# KiCad board BB3plus CM5 STM32H7 module.kicad_pcb
title: ${project_name}; date: 2026-09-18; rev: ${project_version}; company: ${project_creator}
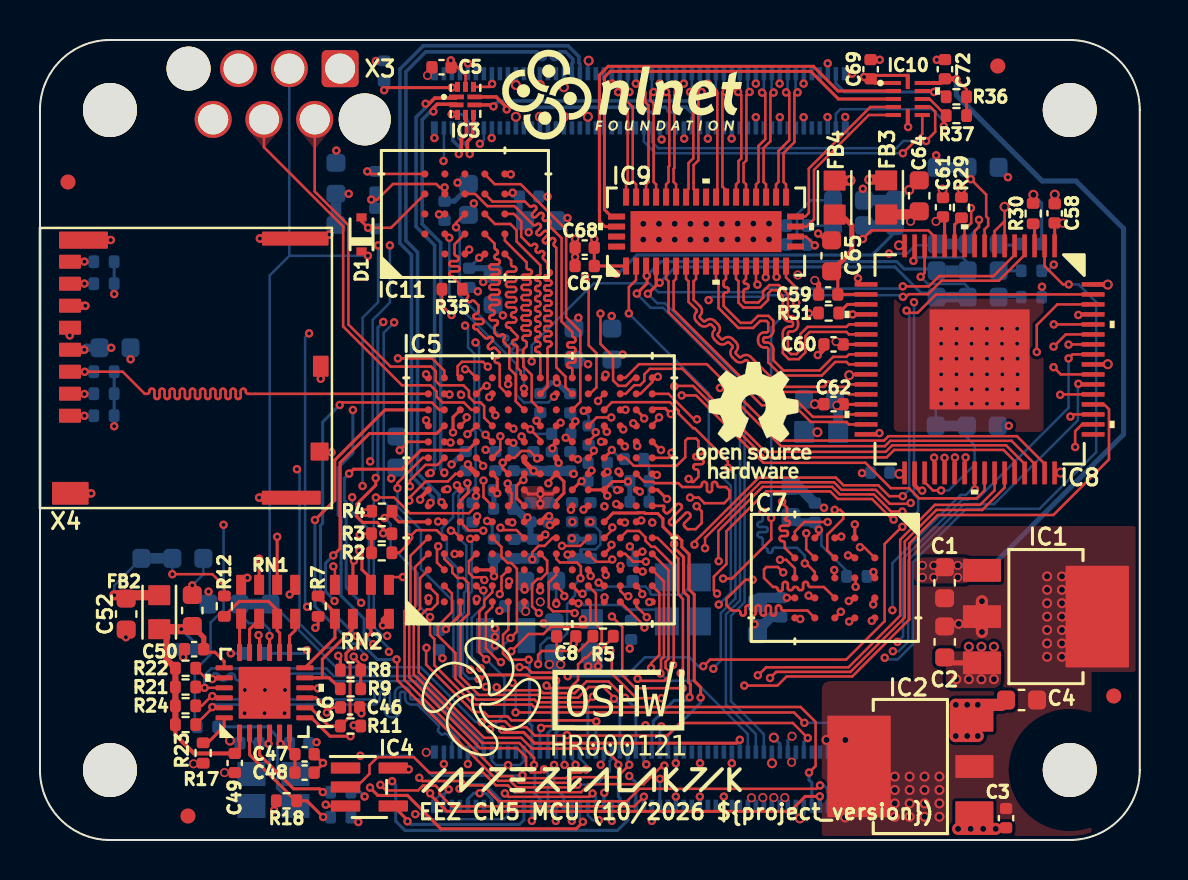
[diagram p0: board, top side]
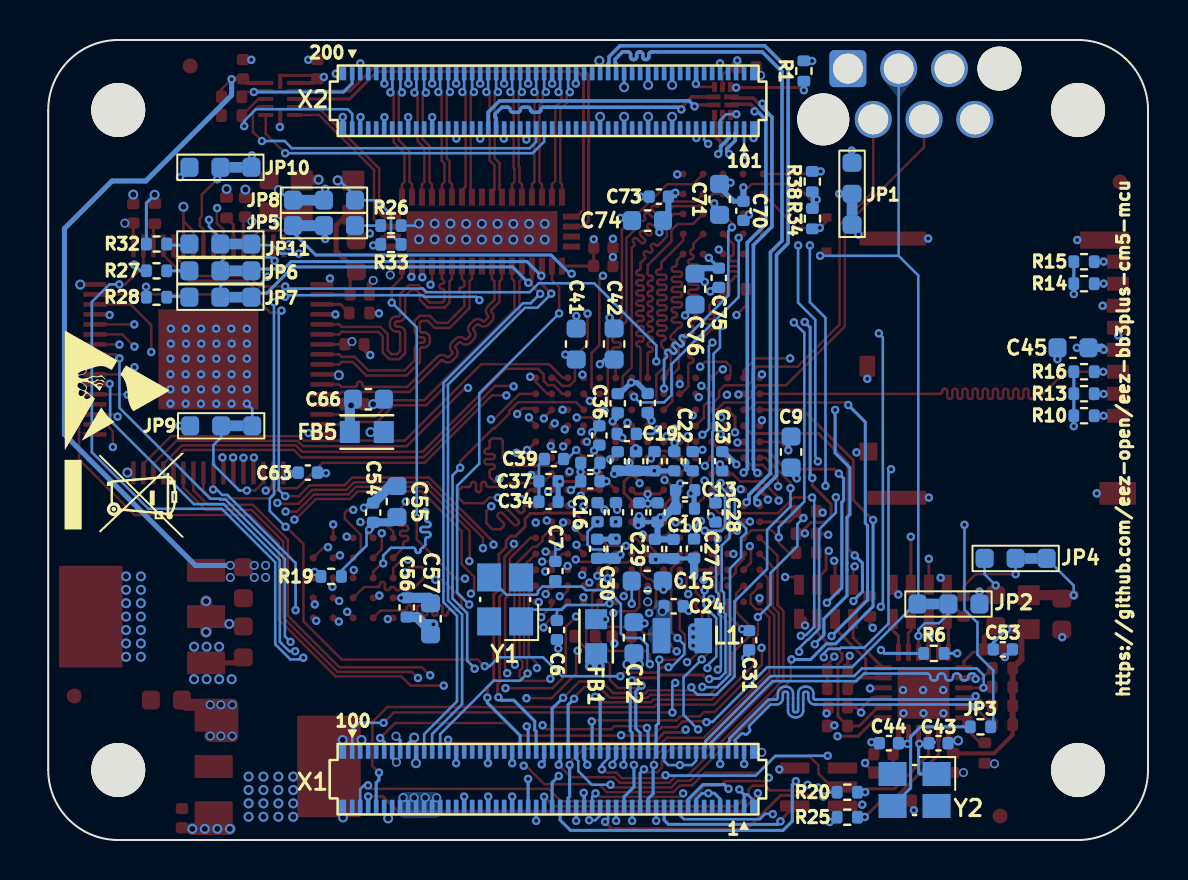
[diagram p1: board, bottom side, seen from below]

Outline 55 x 40 mm; copper layers: Top, GND1.Cu (plane), In2signal.Cu, POWER.Cu (plane), GND2.Cu (plane), Bottom. Coordinates in mm from the lower left corner of the outline.
Stack: Top 0.035mm / dielectric 0.0994mm FR4 er 4.5 / GND1.Cu 0.0152mm / dielectric 0.55mm FR4 er 4.5 / In2signal.Cu 0.0152mm / dielectric 0.1164mm FR4 er 4.5 / POWER.Cu 0.0152mm / dielectric 0.55mm FR4 er 4.5 / GND2.Cu 0.0152mm / dielectric 0.0994mm FR4 er 4.5 / Bottom 0.035mm

## Placement (name value [footprint] x y rotation side)
C1  10u  [C_0603_1608Metric]  45.24 12.87 90 top
C2  10u  [C_0603_1608Metric]  45.25 9.91 270 top
C3  1u  [C_0402_1005Metric]  48.31 1.09 90 top
C4  10u  [C_0603_1608Metric]  49.09 7 180 top
C5  100n  [C_0402_1005Metric]  20.08 38.64 0 top
C6  10p  [C_0402_1005Metric]  29.56 10.5 90 bottom
C7  10p  [C_0402_1005Metric]  29.64 13.45 270 bottom
C8  10n  [C_0402_1005Metric]  26.32 10.18 0 top
C9  4u7  [C_0603_1608Metric]  17.85 19.4 90 bottom
C10  100n  [C_0402_1005Metric]  23.16 16.57 180 bottom
C11  100n  [C_0402_1005Metric]  24.68 18.94 270 bottom
C12  10u  [C_0603_1608Metric]  25.71 10.12 90 bottom
C13  100n  [C_0402_1005Metric]  23.15 17.49 180 bottom
C14  100n  [C_0402_1005Metric]  27.89 18.86 0 bottom
C15  10u  [C_0603_1608Metric]  25.05 12.95 180 bottom
C16  2u2  [C_0402_1005Metric]  27.53 16.39 270 bottom
C17  100n  [C_0402_1005Metric]  22.77 18.94 90 bottom
C18  100n  [C_0402_1005Metric]  26.61 16.39 90 bottom
C19  2u2  [C_0402_1005Metric]  26.07 20.31 180 bottom
C20  100n  [C_0402_1005Metric]  24.53 16.38 90 bottom
C21  100n  [C_0402_1005Metric]  27.89 17.94 0 bottom
C22  2u2  [C_0402_1005Metric]  23.69 18.94 270 bottom
C23  1u  [C_0402_1005Metric]  21.29 18.94 90 bottom
C24  220p  [C_0402_1005Metric]  23.72 11.69 180 bottom
C25  100n  [C_0402_1005Metric]  25.45 16.38 90 bottom
C26  100n  [C_0402_1005Metric]  26.52 18.94 270 bottom
C27  2u2  [C_0402_1005Metric]  22.7 14.57 270 bottom
C28  100n  [C_0402_1005Metric]  21.63 16.38 90 bottom
C29  1u  [C_0402_1005Metric]  24.66 14.56 270 bottom
C30  1u  [C_0402_1005Metric]  26.68 14.56 270 bottom
C31  100n  [C_0402_1005Metric]  19.95 9.99 270 bottom
C32  100n  [C_0402_1005Metric]  23.73 14.55 270 bottom
C33  100n  [C_0402_1005Metric]  27.55 14.56 270 bottom
C34  100n  [C_0402_1005Metric]  29.98 16.91 0 bottom
C35  100n  [C_0402_1005Metric]  25.02 21.85 90 bottom
C36  100n  [C_0402_1005Metric]  27.44 20.23 90 bottom
C37  100n  [C_0402_1005Metric]  29.98 17.94 0 bottom
C38  100n  [C_0402_1005Metric]  26.52 21.84 90 bottom
C39  100n  [C_0402_1005Metric]  29.71 19.05 0 bottom
C40  100n  [C_0402_1005Metric]  25.6 18.94 270 bottom
C41  4u7  [C_0603_1608Metric]  28.6 24.8 90 bottom
C42  4u7  [C_0603_1608Metric]  26.7 24.8 90 bottom
C43  10p  [C_0402_1005Metric]  10.48 4.84 0 bottom
C44  10p  [C_0402_1005Metric]  12.96 4.84 180 bottom
C45  10u  [C_0603_1608Metric]  3.75 24.61 180 bottom
C46  10n  [C_0402_1005Metric]  15.51 6.63 0 top
C47  470p  [C_0402_1005Metric]  13.23 4.29 0 top
C48  1u  [C_0402_1005Metric]  13.23 3.37 180 top
C49  10n  [C_0402_1005Metric]  9.74 3.85 270 top
C50  10n  [C_0402_1005Metric]  7.71 9.54 180 top
C51  4u7  [C_0603_1608Metric]  7.62 11.48 90 top
C52  4u7  [C_0603_1608Metric]  4.31 11.3 270 top
C53  100n  [C_0402_1005Metric]  7.26 9.53 0 bottom
C54  100n  [C_0402_1005Metric]  38.75 16.37 90 bottom
C55  4u7  [C_0603_1608Metric]  37.56 16.92 90 bottom
C56  100n  [C_0402_1005Metric]  37.07 11.63 270 bottom
C57  4u7  [C_0603_1608Metric]  35.88 11.06 270 bottom
C58  100n  [C_0402_1005Metric]  50.75 31.33 90 top
C59  100n  [C_0402_1005Metric]  39.42 27.27 180 top
C60  100n  [C_0402_1005Metric]  39.69 24.78 180 top
C61  100n  [C_0402_1005Metric]  45.16 31.64 90 top
C62  100n  [C_0402_1005Metric]  39.69 21.79 180 top
C63  100n  [C_0402_1005Metric]  42.02 18.37 180 bottom
C64  10u  [C_0603_1608Metric]  43.97 32.21 90 top
C65  10u  [C_0603_1608Metric]  39.59 29.21 270 top
C66  10u  [C_0603_1608Metric]  38.99 22.04 0 bottom
C67  10n  [C_0402_1005Metric]  27.24 28.7 180 top
C68  100n  [C_0402_1005Metric]  27.24 29.62 180 top
C69  100n  [C_0402_1005Metric]  41.54 38.54 270 top
C70  100n  [C_0402_1005Metric]  20.23 31.46 270 bottom
C71  4u7  [C_0603_1608Metric]  21.43 32.03 270 bottom
C72  100n  [C_0402_1005Metric]  45.26 38.54 270 top
C73  100n  [C_0402_1005Metric]  24.47 32.17 0 bottom
C74  4u7  [C_0603_1608Metric]  25.03 30.97 0 bottom
C75  100n  [C_0402_1005Metric]  21.47 28.11 270 bottom
C76  4u7  [C_0603_1608Metric]  22.66 27.54 270 bottom
D1  BAT54XV2T5G  [SOD-523F_0P9X1P3_ONS]  16.08 30.28 90 top
FB1  FBMJ1608HM180NTR  [BEAD0603]  27.6 10.19 270 bottom
FB2  BLM18AG102SH1D  [BEAD0603]  5.97 11.39 270 top
FB3  60R@100MHz  [BEAD0603]  42.32 32.13 90 top
FB4  60R@100MHz  [BEAD0603]  39.74 32.12 90 top
FB5  60R@100MHz  [BEAD0603]  39.07 20.4 180 bottom
FM1  ~  [Fiducial_0.75mm_Mask1.5mm]  1.4 32.9 0 top
FM2  ~  [Fiducial_0.75mm_Mask1.5mm]  47.9 38.7 0 top
FM3  ~  [Fiducial_0.75mm_Mask1.5mm]  7.4 1.2 0 top
FM4  ~  [Fiducial_0.75mm_Mask1.5mm]  53.7 7.2 0 top
G***  LOGO  [Intergalaktik logo]  27.13 3.14 0 top
IC1  AZ1117CH2-3.3TRG1  [SOT223]  50.31 11.17 0 top
IC2  AZ1117CH-1.8TRG1  [SOT223]  43.53 3.68 180 top
IC3  PI3USB102ZLEX  [TQFN-10]  21.28 36.96 0 top
IC4  SN74LVC1G14DBVR  [DBV5]  16.47 2.65 0 top
IC5  STM32H7R7L8H6H  [TFBGA225_13X13_STM]  25.02 17.51 90 top
IC6  LAN8742A-CZ-TR  [SQFN24_4X4MC_MCH-M]  11.23 7.36 90 top
IC7  APS256XXN-OBR-BG  [APS256XXN-OBR-BG_APY-L]  39.75 13.11 270 top
IC8  TFP410PAP  [PAP64_5X5-L]  46.99 24.03 270 top
IC9  TS3DV642A0RUAR  [RUA42_7P55X2P05]  33.31 30.42 90 top
IC10  LSF0204GU12  [XQFN12_SOT1174-1_NEX-L]  43.4 37.05 0 top
IC11  MX25UM25645GXDI00-T  [APS256XXN-OBR-BG_APY-L]  21.25 31.3 90 top
JP1  ~  [JP3 shorted (0603)]  14.8 31.54 270 bottom
JP2  ~  [JP3 shorted (0603)]  10.75 11.8 0 bottom
JP3  ~  [JP2 open (0402)]  8.38 5.66 0 bottom  (not fitted)
JP4  ~  [JP3 shorted (0603)]  5.85 14.08 180 bottom
JP5  ~  [JP3 shorted (0603)]  41.98 30.72 0 bottom
JP6  ~  [JP3 shorted (0603)]  45.62 28.46 180 bottom
JP7  ~  [JP3 shorted (0603)]  45.62 27.14 180 bottom
JP8  ~  [JP3 shorted (0603)]  41.98 31.99 0 bottom
JP9  ~  [JP3 shorted (0603)]  45.58 20.71 180 bottom
JP10  ~  [JP3 shorted (0603)]  45.62 33.64 180 bottom
JP11  ~  [JP3 shorted (0603)]  45.62 29.8 180 bottom
L1  LQM2MPN2R2NG0  [0806]  23.29 10.22 0 bottom
LOGO1  Open HW logo  [Open HW logo (5.7x6mm)]  35.68 20.89 0 top
LOGO2  EEZ logo  [EEZ logo (outline 6mm)]  22.06 7.18 0 top
LOGO3  -  [WEEE logo]  51.18 17.24 270 bottom
LOGO4  ESD logo  [ESD  logo]  51.54 22.48 270 bottom
LOGO5  -  [NLnet logo]  29.13 37.13 0 top
LOGO6  OSHWA logo  [OSHWA logo 6.6mm]  25.63 5.47 0 top
Module1  ~  [Raspberry-Pi-CM5 (SoM)_EdgeCuts]  51.5 3.5 90 top
NT1  NetTie_2  [NetTie-2_SMD_Pad0.2mm]  23.18 14.08 0 bottom
NT2  NetTie_2  [NetTie-2_SMD_Pad0.2mm]  27.06 14.3 270 bottom
R1  10K  [R_0402_1005Metric]  17.21 38.45 270 bottom
R2  1K5  [R_0402_1005Metric]  17.09 14.36 180 top
R3  1K5  [R_0402_1005Metric]  17.09 15.31 180 top
R4  10K  [R_0402_1005Metric]  17.1 16.44 180 top
R5  10K  [R_0402_1005Metric]  28.16 10.19 0 top
R6  10K  [R_0402_1005Metric]  10.71 9.33 180 bottom
R7  1K5  [R_0402_1005Metric]  13.91 11.69 270 top
R8  10K  [R_0402_1005Metric]  15.53 8.5 180 top
R9  10K  [R_0402_1005Metric]  15.53 7.56 0 top
R10  47K  [R_0402_1005Metric]  3.2 21.21 180 bottom
R11  10K  [R_0402_1005Metric]  15.53 5.7 0 top
R12  10K  [R_0402_1005Metric]  9.22 11.69 90 top
R13  47K  [R_0402_1005Metric]  3.2 22.31 180 bottom
R14  47K  [R_0402_1005Metric]  3.2 27.81 180 bottom
R15  47K  [R_0402_1005Metric]  3.2 28.91 180 bottom
R16  47K  [R_0402_1005Metric]  3.2 23.41 180 bottom
R17  12K1  [R_0402_1005Metric]  8.16 4.35 270 top
R18  10K  [R_0402_1005Metric]  12.33 1.96 180 top
R19  10K  [R_0402_1005Metric]  40.85 13.18 180 bottom
R20  220R  [R_0402_1005Metric]  15.04 2.39 0 bottom
R21  49R9  [R_0402_1005Metric]  7.28 7.65 0 top
R22  49R9  [R_0402_1005Metric]  7.28 8.59 0 top
R23  49R9  [R_0402_1005Metric]  7.28 5.77 0 top
R24  49R9  [R_0402_1005Metric]  7.28 6.71 180 top
R25  220R  [R_0402_1005Metric]  15.04 1.14 0 bottom
R26  10K  [R_0402_1005Metric]  37.86 30.72 180 bottom  (not fitted)
R27  10K  [R_0402_1005Metric]  49.58 28.46 0 bottom  (not fitted)
R28  10K  [R_0402_1005Metric]  49.58 27.14 0 bottom  (not fitted)
R29  10K  [R_0402_1005Metric]  46.08 31.62 270 top
R30  10K  [R_0402_1005Metric]  49.67 31.32 90 top
R31  510R  [R_0402_1005Metric]  39.44 26.35 180 top
R32  10K  [R_0402_1005Metric]  49.58 29.8 0 bottom  (not fitted)
R33  10K  [R_0402_1005Metric]  37.86 29.78 180 bottom
R34  10K  [R_0402_1005Metric]  16.78 31.07 90 bottom  (not fitted)
R35  10K  [R_0402_1005Metric]  20.62 27.54 180 top
R36  1K5  [R_0402_1005Metric]  45.83 37.16 0 top
R37  1K5  [R_0402_1005Metric]  45.83 36.22 0 top
R38  10K  [R_0402_1005Metric]  16.79 32.92 270 bottom
RN1  CAY16A-330J4AS  [CAY16]  11.41 11.91 180 top
RN2  CAY16A-330J4AS  [CAY16]  16.1 11.91 180 top
X1  DF40C-100DP-0.4V(51)  [Raspberry-Pi-CM5 (SoM)_Left]  51.5 3.5 90 top
X2  DF40C-100DP-0.4V(51)  [Raspberry-Pi-CM5 (SoM)_Right]  51.5 3.5 90 top
X3  ~  [WR-WST_490107670612_DEBUG_no frame]  15.01 38.57 0 top
X4  -  [5033981892]  14.43 16.76 90 top
Y1  VXM7-9032-25M0000000  [XTAL_403C11A24M00000]  32.15 12.03 0 bottom
Y2  VXM7-9032-25M0000000  [XTAL_403C11A24M00000]  11.68 2.5 270 bottom

## Library data of the parts
C1 C2 C4 C12 C15 C45 C64-C66 = -: DigiKey: 1276-1052-6-ND; Mouser: 187-CL21A106KPFNNNE; TME: CL21A106KPFNNNE; LCSC: C17024
C3 C23 C29 C30 = -: DigiKey: 490-GRM155C81A105MA12DCT-ND; Mouser: 81-GRM155C81A105MA2D; TME: GRM155R60J105KE19D; LCSC: C15684
C5 C10 C11 C13 C14 C17 C18 C20 C21 C25 C26 C28 C31-C40 C53 C54 C56 C58-C63 C68-C70 C72 C73 C75 = -: DigiKey: 490-6287-1-ND; Mouser: 81-GRM155R60J104KA1D; TME: GRM155R60J104KA01D; LCSC: C60474
C6 C7 C43 C44 = -: TME: GRM1555C1H100GA01D; DigiKey: 490-7299-1-ND; Mouser: 81-GRM1555C2A100JA1D; LCSC: C76945
C8 C46 C49 C50 C67 = -: DigiKey: 490-6309-1-ND; Mouser: 81-GRM155R61C103KA1D; TME: GRM155R61C103KA01D; LCSC: C15195
C9 C41 C42 C51 C52 C55 C57 C71 C74 C76 = -: DigiKey: 1276-1044-1-ND; Mouser: 187-CL10A475KP8NNND; TME: CL10A475KP8NNNC; LCSC: C1705
C16 C19 C22 C27 = -: DigiKey: 490-GRM155C71A225KE11JCT-ND; Mouser: 81-GRM155C71A225KE1J; TME: -; LCSC: C2211665
C24 = -: DigiKey: 1276-6762-1-ND; Mouser: 187-CL05C221JB51PNC; TME: CL05C221JB51PNC; LCSC: C472450
C47 = -: DigiKey: 1276-1117-1-ND; Mouser: 187-CL05C471JB5NNNC; TME: CL05C471JB5NNNC; LCSC: C307449
C48 = -: TME: GRM155R60J105KE19D; DigiKey: 490-GRM155C81A105MA12DCT-ND; Mouser: 81-GRM155C81A105MA2D; LCSC: C15684
D1 = -: DigiKey: BAT54XV2T5GOSCT-ND; Mouser: 863-BAT54XV2T5G; TME: BAT54WX-TP; LCSC: C146759
FB1 = -: Description: Ferrite bead; DigiKey: 587-3251-2-ND; Mouser: 963-FBMJ1608HM180NTR; TME: -; LCSC: C2661511; ki_fp_filters: Inductor_* L_* *Ferrite*
FB2 = -: Description: Ferrite bead; DigiKey: 490-7809-1-ND; Mouser: 81-BLM18AG102SH1D; LCSC: C337877; ki_fp_filters: Inductor_* L_* *Ferrite*
FB3-FB5 = -: Description: Ferrite bead; DigiKey: 490-7809-1-ND; Mouser: 81-BLM18AG102SH1D; TME: BLM18AG102SH1D; LCSC: C337877; ki_fp_filters: Inductor_* L_* *Ferrite*
IC1 = -: Description: 3.3 V, 1A, 3-terminal regulator; DigiKey: 31-AZ1117CH2-3.3TRG1CT-ND; Mouser: 621-AZ1117CH2-33TRG1; LCSC: C108492
IC2 = -: Description: 1.8 V, 1A, 3-terminal regulator; DigiKey: AZ1117CH-1.8TRG1DICT-ND; Mouser: 621-AZ1117CH-1.8TRG1; LCSC: C95397
IC3 = -: Description: USB 2.0 High-Speed (480 Mbps) Switch with 5V Protection; DigiKey: PI3USB102ZLEXCT-ND; Mouser: 729-PI3USB102GZLEX; TME: -; LCSC: C500797; ki_fp_filters: DTR0012A-MFG
IC4 = -: Description: Single Schmitt-Trigger Inverter; DigiKey: 296-11607-1-ND; Mouser: 595-SN74LVC1G14DBVR; LCSC: C19829661
IC5 = -: Description: High-Performance Arm Cortex-M7 MCU, 600MHz, 64KB Bootflash, 620KB SRAM, with DSP, cache, USB HS PHY, NeoChrom GPU, TFT-LCD; DigiKey: 497-STM32H7R7L8H6H-ND; Mouser: 511-STM32H7R7L8H6H; LCSC: C26430721
IC6 = -: Description: 10/100 Base-T/TX Ethernet Transceiver with Cable Diagnostics; DigiKey: LAN8742A-CZ-CT-ND; Mouser: 579-LAN8742A-CZ-TR; LCSC: C621424
IC7 = -: Description: 256 Mbit Double-Data-Rate OPI/HPI Xccela PSRAM; DigiKey: -; Mouser: 878-APS256XXN-OB9-BG; TME: -; LCSC: C42963059; ki_fp_filters: APS256XXN-OBR-BG_APY APS256XXN-OBR-BG_APY-M APS256XXN-OBR-BG_APY-L
IC8 = -: Description: TI PanelBus™ Digital Transmitter; DigiKey: 296-12666-ND; Mouser: 595-TFP410PAP; TME: -; LCSC: C1543847; ki_fp_filters: PAP64_5X5 PAP64_5X5-M PAP64_5X5-L
IC9 = -: Description: 6-Gbps 12-Channel differential 1-to-2 and 2-to-1 mux; DigiKey: 296-39510-1-ND; Mouser: 595-TS3DV642A0RUAR; TME: -; LCSC: C157482; ki_fp_filters: RUA42_7P55X2P05_TEX
IC10 = -: Description: 4-bit bidirectional level translator open-drain and push-pull; DigiKey: 1727-LSF0204GU12-Q100XTR-ND; Mouser: 771-LSF0204GU12Q100X; TME: -; LCSC: C7296193; ki_fp_filters: DTR0012A-MFG
IC11 = -: Description: NOR Flash Serial NOR 1.8V 256Mbit x8 I/O BGA-24 6x8mm; DigiKey: 1092-MX25UM25645GXDI00-ND; Mouser: 95-25UM25645GXDI0T; TME: X25UM25645GXDI00TR; LCSC: C20099946
L1 = -: DigiKey: 490-7786-2-ND; Mouser: 81-LQM2MPN2R2NG0L; TME: LQM2MPN2R2NG0L; LCSC: C83998
NT1 NT2 = -: Description: Net tie, 2 pins; ki_fp_filters: Net*Tie*
R1 R4-R6 R8 R9 R11 R12 R18 R19 R26-R30 R32-R35 R38 = -: DigiKey: 311-10.0KLRCT-ND; Mouser: 603-RC0402FR-0710KL; TME: SMD0402-10K-1%; LCSC: C60490
R2 R36 = -: DigiKey: 311-1.50KLRCT-ND; LCSC: C114759; Mouser: 603-RC0402FR-071K5L; TME: RC0402FR-071K5L
R3 R7 R37 = -: DigiKey: 311-1.50KLRCT-ND; Mouser: 603-RC0402FR-071K5L; TME: RC0402FR-071K5L; LCSC: C114759
R10 R13-R16 = -: DigiKey: 311-47.0KLRCT-ND; Mouser: 603-RC0402FR-0747KL; TME: RC0402FR-0747KL; LCSC: C93943
R17 = -: DigiKey: 13-RC0402FR-1012K1LCT-ND; Mouser: 603-RC0402FR-1012K1L; TME: SMD0402-12.1K-1%; LCSC: C132157
R20 R25 = -: DigiKey: 311-220LRCT-ND; Mouser: 603-RC0402FR-07220RL; TME: RC0402FR-07220R; LCSC: C112291
R21-R24 = -: DigiKey: 13-RC0402FR-1349R9LCT-ND; Mouser: 603-RC0402FR-1349R9L; TME: RC0402FR-0749R9L; LCSC: C4007649
R31 = -: DigiKey: 13-RC0402FR-13510RLCT-ND; Mouser: 603-RC0402FR-13510RL; TME: RC0402FR-07510RL; LCSC: C276273
RN1 RN2 = -: DigiKey: CAY16-330J4LFCT-ND; Mouser: 652-CAY16-330J4LF; TME: CAY16-330J4LF; LCSC: C840641
X1 X2 = -: DigiKey: H11614CT-ND; Mouser: 798-DF40C100DP0.4V51; TME: DF40C-100DP-04V-51; LCSC: C531031
X3 = -: Description: SKEDD 2.54mm Pitch 6 Pin
X4 = -: Description: Micro SD; push-push; gold-plated; DigiKey: WM11190CT-ND; Mouser: 538-503398-1892; TME: MX-503398-1892; LCSC: C428492
Y1 Y2 = -: DigiKey: 150-VXM7-9032-25M0000000CT-ND; Mouser: 579-M7903225M0000000; TME: -; LCSC: C1517995; Label: 25MHz

## Footprints (pads in the part's own frame, mm; a bottom-side part is the same pattern mirrored in y, then rotated)
0806
  rrect 0.889x1.753 smd: 1(-1.041,0) 2(1.041,0)
5033981892
  rrect 0.7x1.1 smd: 1(4.45,12.93) 2(5.55,12.93) 3(6.65,12.93) 4(7.75,12.93) 5(8.85,12.93) 6(9.95,12.93) 7(11.05,12.93) 8(12.15,12.93)
  rrect 0.7x2.95 smd: SH(0.35,1.865)
  rrect 1.14x1.83 smd: SH(0.57,12.915)
  rrect 0.86x2.45 smd: SH(13.23,12.255)
  rrect 0.7x3.33 smd: SH(13.31,1.665)
  rrect 0.9x0.9 smd: SW1(2.66,0.45)
  rrect 1.05x0.78 smd: SW2(6.925,0.39)
APS256XXN-OBR-BG_APY-L
  round 0.356 smd: A2(-1,2) A3(0,2) A4(1,2) A5(2,2) B1(-2,1) B2(-1,1) B3(0,1) B4(1,1) B5(2,1) C1(-2,0) C2(-1,0) C3(0,0) C4(1,0) C5(2,0) D1(-2,-1) D2(-1,-1) D3(0,-1) D4(1,-1) D5(2,-1) E1(-2,-2) E2(-1,-2) E3(0,-2) E4(1,-2) E5(2,-2)
BEAD0603
  rrect 1x1.1 smd: 1(-0.85,0) 2(0.85,0)
C_0402_1005Metric
  rrect 0.56x0.62 smd: 1(-0.48,0) 2(0.48,0)
C_0603_1608Metric
  rrect 0.9x0.95 smd: 1(-0.775,0) 2(0.775,0)
CAY16
  rrect 0.5x1 smd: 1(-1.35,-0.85) 2(-0.45,-0.85) 3(0.45,-0.85) 4(1.35,-0.85) 5(1.35,0.85) 6(0.45,0.85) 7(-0.45,0.85) 8(-1.35,0.85)
DBV5
  rrect 1.473x0.559 smd: 1(-1.194,0.95) 2(-1.194,0) 3(-1.194,-0.95) 4(1.194,-0.95) 5(1.194,0.95)
Fiducial_0.75mm_Mask1.5mm
  round 0.75 smd: (0,0)
JP2 open (0402)
  rrect 0.54x0.64 smd: 1(-0.51,0) 2(0.51,0)
JP3 shorted (0603)
  rrect 0.9x0.95 smd: COM(-0.77,0) NC(0.78,0) NO(-2.32,0)
NetTie-2_SMD_Pad0.2mm
  round 0.2 smd: 1(-0.2,0) 2(0.2,0)
PAP64_5X5-L
  rect 1.143x0.229 smd: 1(-5.677,3.75) 2(-5.677,3.25) 3(-5.677,2.75) 4(-5.677,2.25) 5(-5.677,1.75) 6(-5.677,1.25) 7(-5.677,0.75) 8(-5.677,0.25) 9(-5.677,-0.25) 10(-5.677,-0.75) 11(-5.677,-1.25) 12(-5.677,-1.75) 13(-5.677,-2.25) 14(-5.677,-2.75) 15(-5.677,-3.25) 16(-5.677,-3.75) 33(5.677,-3.75) 34(5.677,-3.25) 35(5.677,-2.75) 36(5.677,-2.25) 37(5.677,-1.75) 38(5.677,-1.25) 39(5.677,-0.75) 40(5.677,-0.25) 41(5.677,0.25) 42(5.677,0.75) 43(5.677,1.25) 44(5.677,1.75) 45(5.677,2.25) 46(5.677,2.75) 47(5.677,3.25) 48(5.677,3.75)
  rect 0.229x1.143 smd: 17(-3.75,-5.677) 18(-3.25,-5.677) 19(-2.75,-5.677) 20(-2.25,-5.677) 21(-1.75,-5.677) 22(-1.25,-5.677) 23(-0.75,-5.677) 24(-0.25,-5.677) 25(0.25,-5.677) 26(0.75,-5.677) 27(1.25,-5.677) 28(1.75,-5.677) 29(2.25,-5.677) 30(2.75,-5.677) 31(3.25,-5.677) 32(3.75,-5.677) 49(3.75,5.677) 50(3.25,5.677) 51(2.75,5.677) 52(2.25,5.677) 53(1.75,5.677) 54(1.25,5.677) 55(0.75,5.677) 56(0.25,5.677) 57(-0.25,5.677) 58(-0.75,5.677) 59(-1.25,5.677) 60(-1.75,5.677) 61(-2.25,5.677) 62(-2.75,5.677) 63(-3.25,5.677) 64(-3.75,5.677)
  rect 5x5 smd: 65(0,0)
R_0402_1005Metric
  rrect 0.54x0.64 smd: 1(-0.51,0) 2(0.51,0)
Raspberry-Pi-CM5 (SoM)_EdgeCuts
  round 2.7 hole 2.7 unplated: (0,48) (0,0) (33,48) (33,0)
Raspberry-Pi-CM5 (SoM)_Left
  rect 0.66x0.23 smd far side: 1(-1.815,31.3) 2(0.895,31.3) 3(-1.815,30.9) 4(0.895,30.9) 5(-1.815,30.5) 6(0.895,30.5) 7(-1.815,30.1) 8(0.895,30.1) 9(-1.815,29.7) 10(0.895,29.7) 11(-1.815,29.3) 12(0.895,29.3) 13(-1.815,28.9) 14(0.895,28.9) 15(-1.815,28.5) 16(0.895,28.5) 17(-1.815,28.1) 18(0.895,28.1) 19(-1.815,27.7) 20(0.895,27.7) 21(-1.815,27.3) 22(0.895,27.3) 23(-1.815,26.9) 24(0.895,26.9) 25(-1.815,26.5) 26(0.895,26.5) 27(-1.815,26.1) 28(0.895,26.1) 29(-1.815,25.7) 30(0.895,25.7) 31(-1.815,25.3) 32(0.895,25.3) 33(-1.815,24.9) 34(0.895,24.9) 35(-1.815,24.5) 36(0.895,24.5) 37(-1.815,24.1) 38(0.895,24.1) 39(-1.815,23.7) 40(0.895,23.7) 41(-1.815,23.3) 42(0.895,23.3) 43(-1.815,22.9) 44(0.895,22.9) 45(-1.815,22.5) 46(0.895,22.5) 47(-1.815,22.1) 48(0.895,22.1) 49(-1.815,21.7) 50(0.895,21.7) 51(-1.815,21.3) 52(0.895,21.3) 53(-1.815,20.9) 54(0.895,20.9) 55(-1.815,20.5) 56(0.895,20.5) 57(-1.815,20.1) 58(0.895,20.1) 59(-1.815,19.7) 60(0.895,19.7) 61(-1.815,19.3) 62(0.895,19.3) 63(-1.815,18.9) 64(0.895,18.9) 65(-1.815,18.5) 66(0.895,18.5) 67(-1.815,18.1) 68(0.895,18.1) 69(-1.815,17.7) 70(0.895,17.7) 71(-1.815,17.3) 72(0.895,17.3) 73(-1.815,16.9) 74(0.895,16.9) 75(-1.815,16.5) 76(0.895,16.5) 77(-1.815,16.1) 78(0.895,16.1) 79(-1.815,15.7) 80(0.895,15.7) 81(-1.815,15.3) 82(0.895,15.3) 83(-1.815,14.9) 84(0.895,14.9) 85(-1.815,14.5) 86(0.895,14.5) 87(-1.815,14.1) 88(0.895,14.1) 89(-1.815,13.7) 90(0.895,13.7) 91(-1.815,13.3) 92(0.895,13.3) 93(-1.815,12.9) 94(0.895,12.9) 95(-1.815,12.5) 96(0.895,12.5) 97(-1.815,12.1) 98(0.895,12.1) 99(-1.815,11.7) 100(0.895,11.7)
  rect 0.66x0.35 smd far side: SH(-1.815,31.775) SH(-1.815,11.225) SH(0.895,31.775) SH(0.895,11.225)
Raspberry-Pi-CM5 (SoM)_Right
  rect 0.66x0.23 smd far side: 101(32.105,31.3) 102(34.815,31.3) 103(32.105,30.9) 104(34.815,30.9) 105(32.105,30.5) 106(34.815,30.5) 107(32.105,30.1) 108(34.815,30.1) 109(32.105,29.7) 110(34.815,29.7) 111(32.105,29.3) 112(34.815,29.3) 113(32.105,28.9) 114(34.815,28.9) 115(32.105,28.5) 116(34.815,28.5) 117(32.105,28.1) 118(34.815,28.1) 119(32.105,27.7) 120(34.815,27.7) 121(32.105,27.3) 122(34.815,27.3) 123(32.105,26.9) 124(34.815,26.9) 125(32.105,26.5) 126(34.815,26.5) 127(32.105,26.1) 128(34.815,26.1) 129(32.105,25.7) 130(34.815,25.7) 131(32.105,25.3) 132(34.815,25.3) 133(32.105,24.9) 134(34.815,24.9) 135(32.105,24.5) 136(34.815,24.5) 137(32.105,24.1) 138(34.815,24.1) 139(32.105,23.7) 140(34.815,23.7) 141(32.105,23.3) 142(34.815,23.3) 143(32.105,22.9) 144(34.815,22.9) 145(32.105,22.5) 146(34.815,22.5) 147(32.105,22.1) 148(34.815,22.1) 149(32.105,21.7) 150(34.815,21.7) 151(32.105,21.3) 152(34.815,21.3) 153(32.105,20.9) 154(34.815,20.9) 155(32.105,20.5) 156(34.815,20.5) 157(32.105,20.1) 158(34.815,20.1) 159(32.105,19.7) 160(34.815,19.7) 161(32.105,19.3) 162(34.815,19.3) 163(32.105,18.9) 164(34.815,18.9) 165(32.105,18.5) 166(34.815,18.5) 167(32.105,18.1) 168(34.815,18.1) 169(32.105,17.7) 170(34.815,17.7) 171(32.105,17.3) 172(34.815,17.3) 173(32.105,16.9) 174(34.815,16.9) 175(32.105,16.5) 176(34.815,16.5) 177(32.105,16.1) 178(34.815,16.1) 179(32.105,15.7) 180(34.815,15.7) 181(32.105,15.3) 182(34.815,15.3) 183(32.105,14.9) 184(34.815,14.9) 185(32.105,14.5) 186(34.815,14.5) 187(32.105,14.1) 188(34.815,14.1) 189(32.105,13.7) 190(34.815,13.7) 191(32.105,13.3) 192(34.815,13.3) 193(32.105,12.9) 194(34.815,12.9) 195(32.105,12.5) 196(34.815,12.5) 197(32.105,12.1) 198(34.815,12.1) 199(32.105,11.7) 200(34.815,11.7)
  rect 0.66x0.35 smd far side: SH(32.105,31.775) SH(32.105,11.225) SH(34.815,31.775) SH(34.815,11.225)
RUA42_7P55X2P05
  rect 0.85x0.3 smd: 1(-1.725,4) 2(-1.725,3.5) 3(-1.725,3) 4(-1.725,2.5) 5(-1.725,2) 6(-1.725,1.5) 7(-1.725,1) 8(-1.725,0.5) 9(-1.725,0) 10(-1.725,-0.5) 11(-1.725,-1) 12(-1.725,-1.5) 13(-1.725,-2) 14(-1.725,-2.5) 15(-1.725,-3) 16(-1.725,-3.5) 17(-1.725,-4) 22(1.725,-4) 23(1.725,-3.5) 24(1.725,-3) 25(1.725,-2.5) 26(1.725,-2) 27(1.725,-1.5) 28(1.725,-1) 29(1.725,-0.5) 30(1.725,0) 31(1.725,0.5) 32(1.725,1) 33(1.725,1.5) 34(1.725,2) 35(1.725,2.5) 36(1.725,3) 37(1.725,3.5) 38(1.725,4)
  rect 0.3x0.85 smd: 18(-0.75,-4.475) 19(-0.25,-4.475) 20(0.25,-4.475) 21(0.75,-4.475) 39(0.75,4.475) 40(0.25,4.475) 41(-0.25,4.475) 42(-0.75,4.475)
  rect 2.05x7.55 smd: 43(0,0)
SOD-523F_0P9X1P3_ONS
  rect 0.406x0.508 smd: A(0.851,0) C(-0.851,0)
SOT223
  rrect 1.905x1.143 smd: 1(-3.2,2.311) 2(-3.2,0) 3(-3.2,-2.311)
  rrect 3.175x5.08 smd: 4(2.565,0)
SQFN24_4X4MC_MCH-M
  rrect 0.864x0.254 smd: 1(-2.019,1.25) 2(-2.019,0.75) 3(-2.019,0.25) 4(-2.019,-0.25) 5(-2.019,-0.75) 6(-2.019,-1.25) 13(2.019,-1.25) 14(2.019,-0.75) 15(2.019,-0.25) 16(2.019,0.25) 17(2.019,0.75) 18(2.019,1.25)
  rrect 0.254x0.864 smd: 7(-1.25,-2.019) 8(-0.75,-2.019) 9(-0.25,-2.019) 10(0.25,-2.019) 11(0.75,-2.019) 12(1.25,-2.019) 19(1.25,2.019) 20(0.75,2.019) 21(0.25,2.019) 22(-0.25,2.019) 23(-0.75,2.019) 24(-1.25,2.019)
  rrect 2.591x2.591 smd: 25(0,0)
TFBGA225_13X13_STM
  round 0.356 smd: A1(-5.6,5.6) A2(-4.8,5.6) A3(-4,5.6) A4(-3.2,5.6) A5(-2.4,5.6) A6(-1.6,5.6) A7(-0.8,5.6) A8(0,5.6) A9(0.8,5.6) A10(1.6,5.6) A11(2.4,5.6) A12(3.2,5.6) A13(4,5.6) A14(4.8,5.6) A15(5.6,5.6) B1(-5.6,4.8) B2(-4.8,4.8) B3(-4,4.8) B4(-3.2,4.8) B5(-2.4,4.8) B6(-1.6,4.8) B7(-0.8,4.8) B8(0,4.8) B9(0.8,4.8) B10(1.6,4.8) B11(2.4,4.8) B12(3.2,4.8) B13(4,4.8) B14(4.8,4.8) B15(5.6,4.8) C1(-5.6,4) C2(-4.8,4) C3(-4,4) C4(-3.2,4) C5(-2.4,4) C6(-1.6,4) C7(-0.8,4) C8(0,4) C9(0.8,4) C10(1.6,4) C11(2.4,4) C12(3.2,4) C13(4,4) C14(4.8,4) C15(5.6,4) D1(-5.6,3.2) D2(-4.8,3.2) D3(-4,3.2) D4(-3.2,3.2) D5(-2.4,3.2) D6(-1.6,3.2) D7(-0.8,3.2) D8(0,3.2) D9(0.8,3.2) D10(1.6,3.2) D11(2.4,3.2) D12(3.2,3.2) D13(4,3.2) D14(4.8,3.2) D15(5.6,3.2) E1(-5.6,2.4) E2(-4.8,2.4) E3(-4,2.4) E4(-3.2,2.4) E5(-2.4,2.4) E6(-1.6,2.4) E7(-0.8,2.4) E8(0,2.4) E9(0.8,2.4) E10(1.6,2.4) E11(2.4,2.4) E12(3.2,2.4) E13(4,2.4) E14(4.8,2.4) E15(5.6,2.4) F1(-5.6,1.6) F2(-4.8,1.6) F3(-4,1.6) F4(-3.2,1.6) F5(-2.4,1.6) F6(-1.6,1.6) F7(-0.8,1.6) F8(0,1.6) F9(0.8,1.6) F10(1.6,1.6) F11(2.4,1.6) F12(3.2,1.6) F13(4,1.6) F14(4.8,1.6) F15(5.6,1.6) G1(-5.6,0.8) G2(-4.8,0.8) G3(-4,0.8) G4(-3.2,0.8) G5(-2.4,0.8) G6(-1.6,0.8) G7(-0.8,0.8) G8(0,0.8) G9(0.8,0.8) G10(1.6,0.8) G11(2.4,0.8) G12(3.2,0.8) G13(4,0.8) G14(4.8,0.8) G15(5.6,0.8) H1(-5.6,0) H2(-4.8,0) H3(-4,0) H4(-3.2,0) H5(-2.4,0) H6(-1.6,0) H7(-0.8,0) H8(0,0) H9(0.8,0) H10(1.6,0) H11(2.4,0) H12(3.2,0) H13(4,0) H14(4.8,0) H15(5.6,0) J1(-5.6,-0.8) J2(-4.8,-0.8) J3(-4,-0.8) J4(-3.2,-0.8) J5(-2.4,-0.8) J6(-1.6,-0.8) J7(-0.8,-0.8) J8(0,-0.8) J9(0.8,-0.8) J10(1.6,-0.8) J11(2.4,-0.8) J12(3.2,-0.8) J13(4,-0.8) J14(4.8,-0.8) J15(5.6,-0.8) K1(-5.6,-1.6) K2(-4.8,-1.6) K3(-4,-1.6) K4(-3.2,-1.6) K5(-2.4,-1.6) K6(-1.6,-1.6) K7(-0.8,-1.6) K8(0,-1.6) K9(0.8,-1.6) K10(1.6,-1.6) K11(2.4,-1.6) K12(3.2,-1.6) K13(4,-1.6) K14(4.8,-1.6) K15(5.6,-1.6) L1(-5.6,-2.4) L2(-4.8,-2.4) L3(-4,-2.4) L4(-3.2,-2.4) L5(-2.4,-2.4) L6(-1.6,-2.4) L7(-0.8,-2.4) L8(0,-2.4) L9(0.8,-2.4) L10(1.6,-2.4) L11(2.4,-2.4) L12(3.2,-2.4) L13(4,-2.4) L14(4.8,-2.4) L15(5.6,-2.4) M1(-5.6,-3.2) M2(-4.8,-3.2) M3(-4,-3.2) M4(-3.2,-3.2) M5(-2.4,-3.2) M6(-1.6,-3.2) M7(-0.8,-3.2) M8(0,-3.2) M9(0.8,-3.2) M10(1.6,-3.2) M11(2.4,-3.2) M12(3.2,-3.2) M13(4,-3.2) M14(4.8,-3.2) M15(5.6,-3.2) N1(-5.6,-4) N2(-4.8,-4) N3(-4,-4) N4(-3.2,-4) N5(-2.4,-4) N6(-1.6,-4) N7(-0.8,-4) N8(0,-4) N9(0.8,-4) N10(1.6,-4) N11(2.4,-4) N12(3.2,-4) N13(4,-4) N14(4.8,-4) N15(5.6,-4) P1(-5.6,-4.8) P2(-4.8,-4.8) P3(-4,-4.8) P4(-3.2,-4.8) P5(-2.4,-4.8) P6(-1.6,-4.8) P7(-0.8,-4.8) P8(0,-4.8) P9(0.8,-4.8) P10(1.6,-4.8) P11(2.4,-4.8) P12(3.2,-4.8) P13(4,-4.8) P14(4.8,-4.8) P15(5.6,-4.8) R1(-5.6,-5.6) R2(-4.8,-5.6) R3(-4,-5.6) R4(-3.2,-5.6) R5(-2.4,-5.6) R6(-1.6,-5.6) R7(-0.8,-5.6) R8(0,-5.6) R9(0.8,-5.6) R10(1.6,-5.6) R11(2.4,-5.6) R12(3.2,-5.6) R13(4,-5.6) R14(4.8,-5.6) R15(5.6,-5.6)